# Altium PCB STM32MP15XXAC_1DDR3Lx16_A01.PcbDoc (part 1 of 3)
Units mm, origin at the board's own origin, x right, y up, seen from the top; angles counter-clockwise.
Board outline 89 x 120 mm, 4 copper layers (Top Layer, Signal Layer 1, Signal Layer 2, Bottom Layer), stack 1.571 mm thick; 133 components, 92 nets, 915 pads, 400 vias.
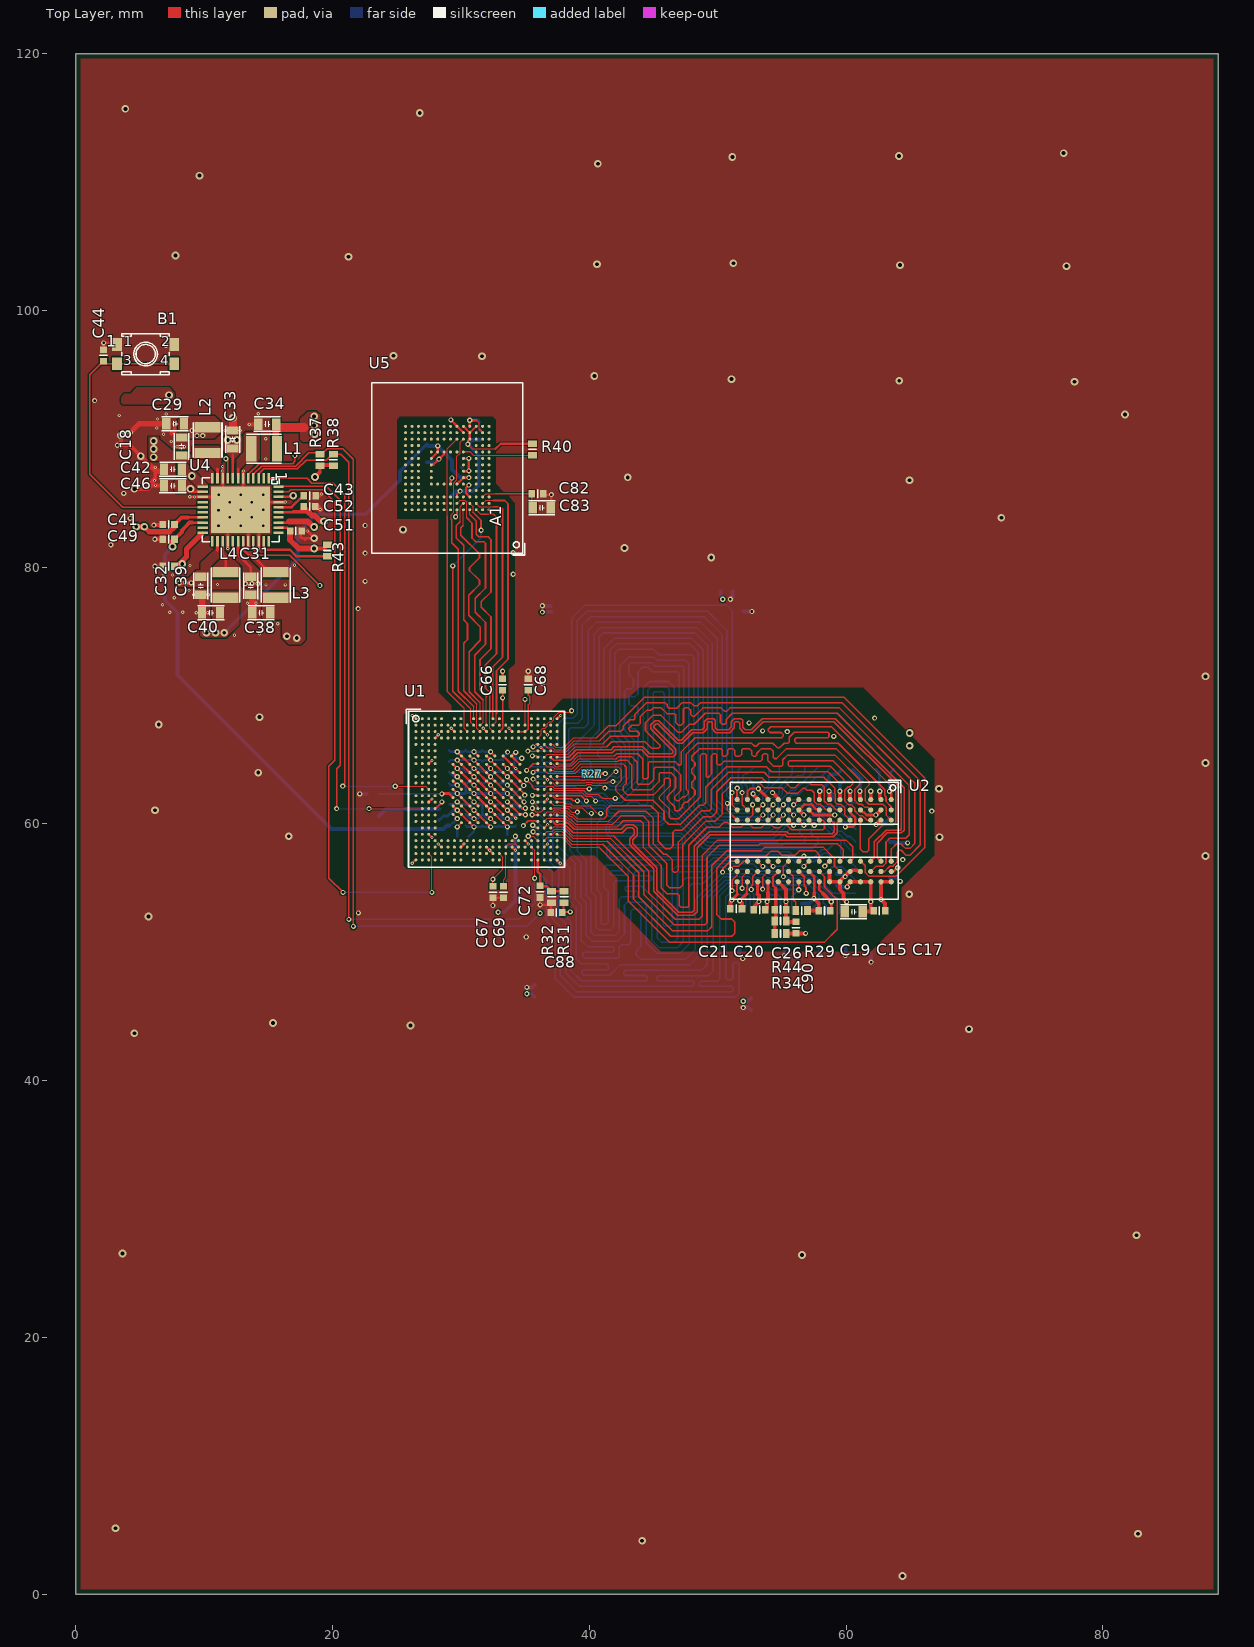
[diagram p0: Top Layer view]
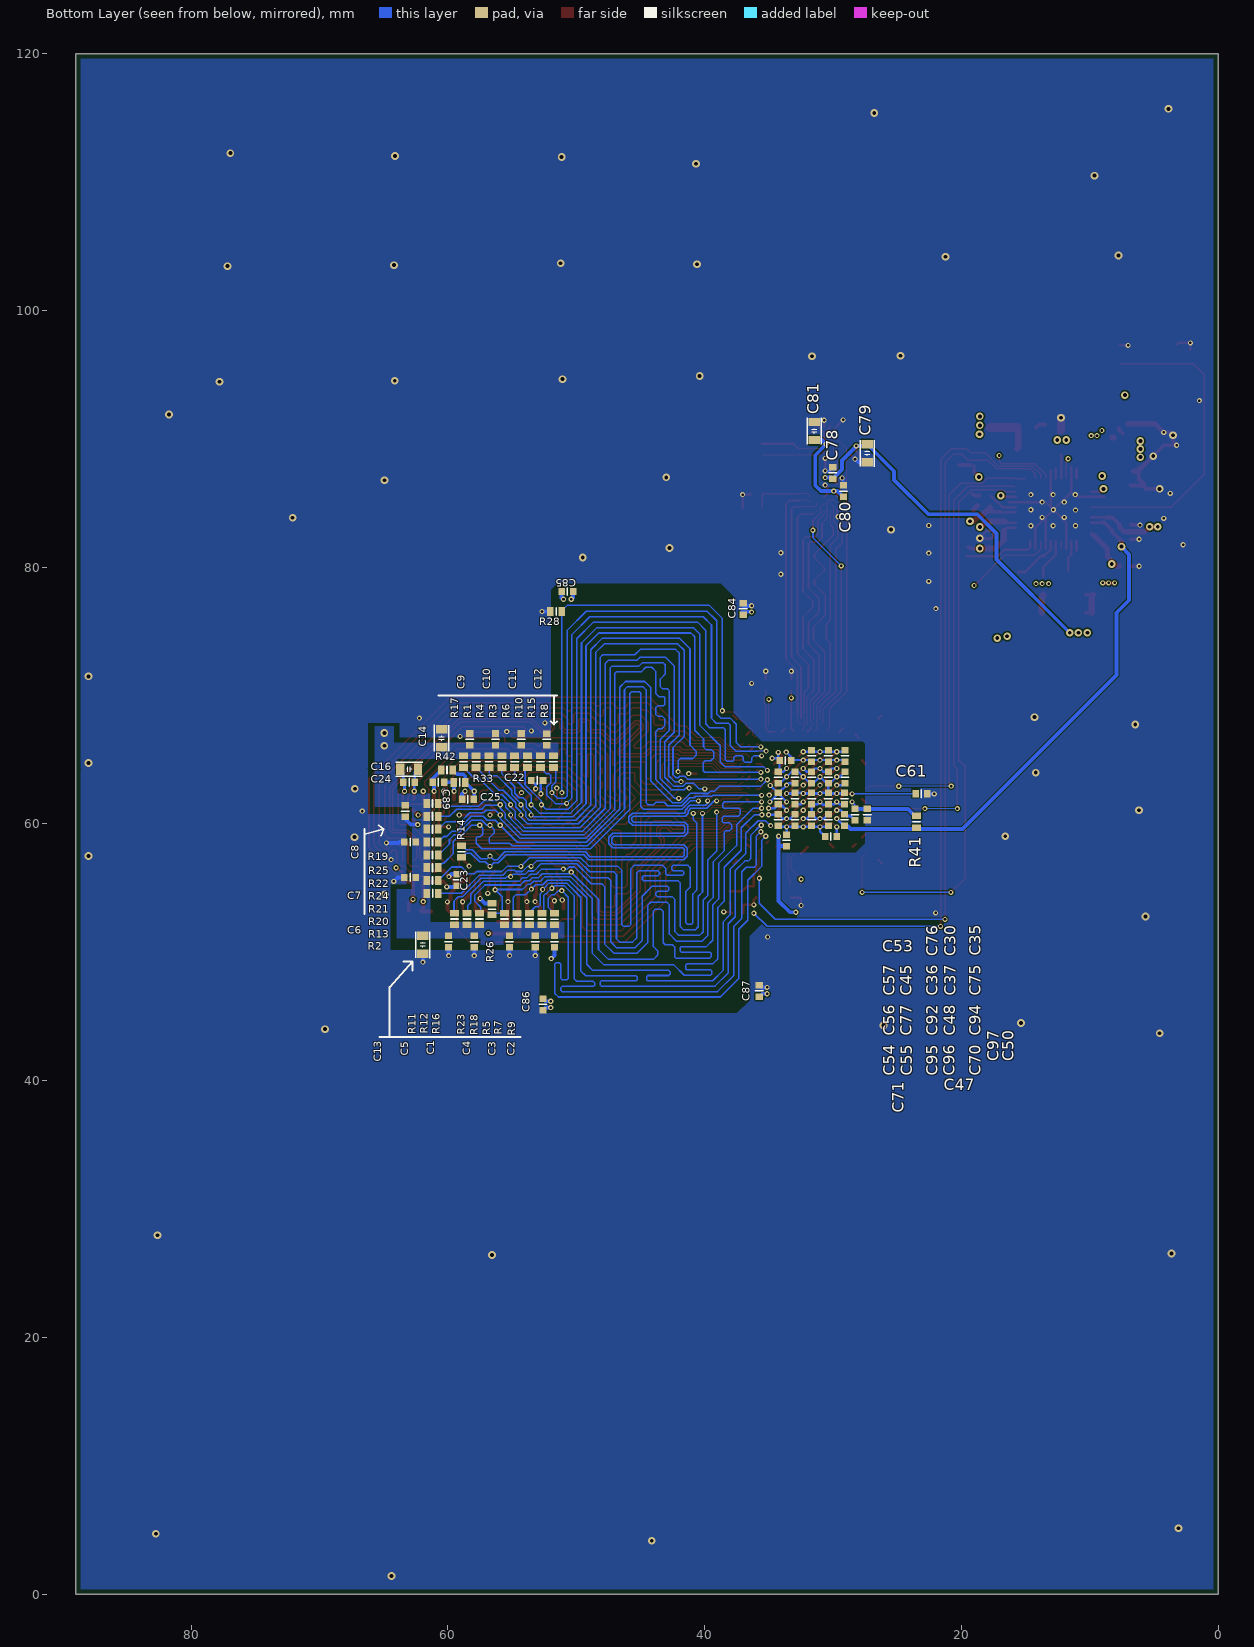
[diagram p1: Bottom Layer view, seen from below]
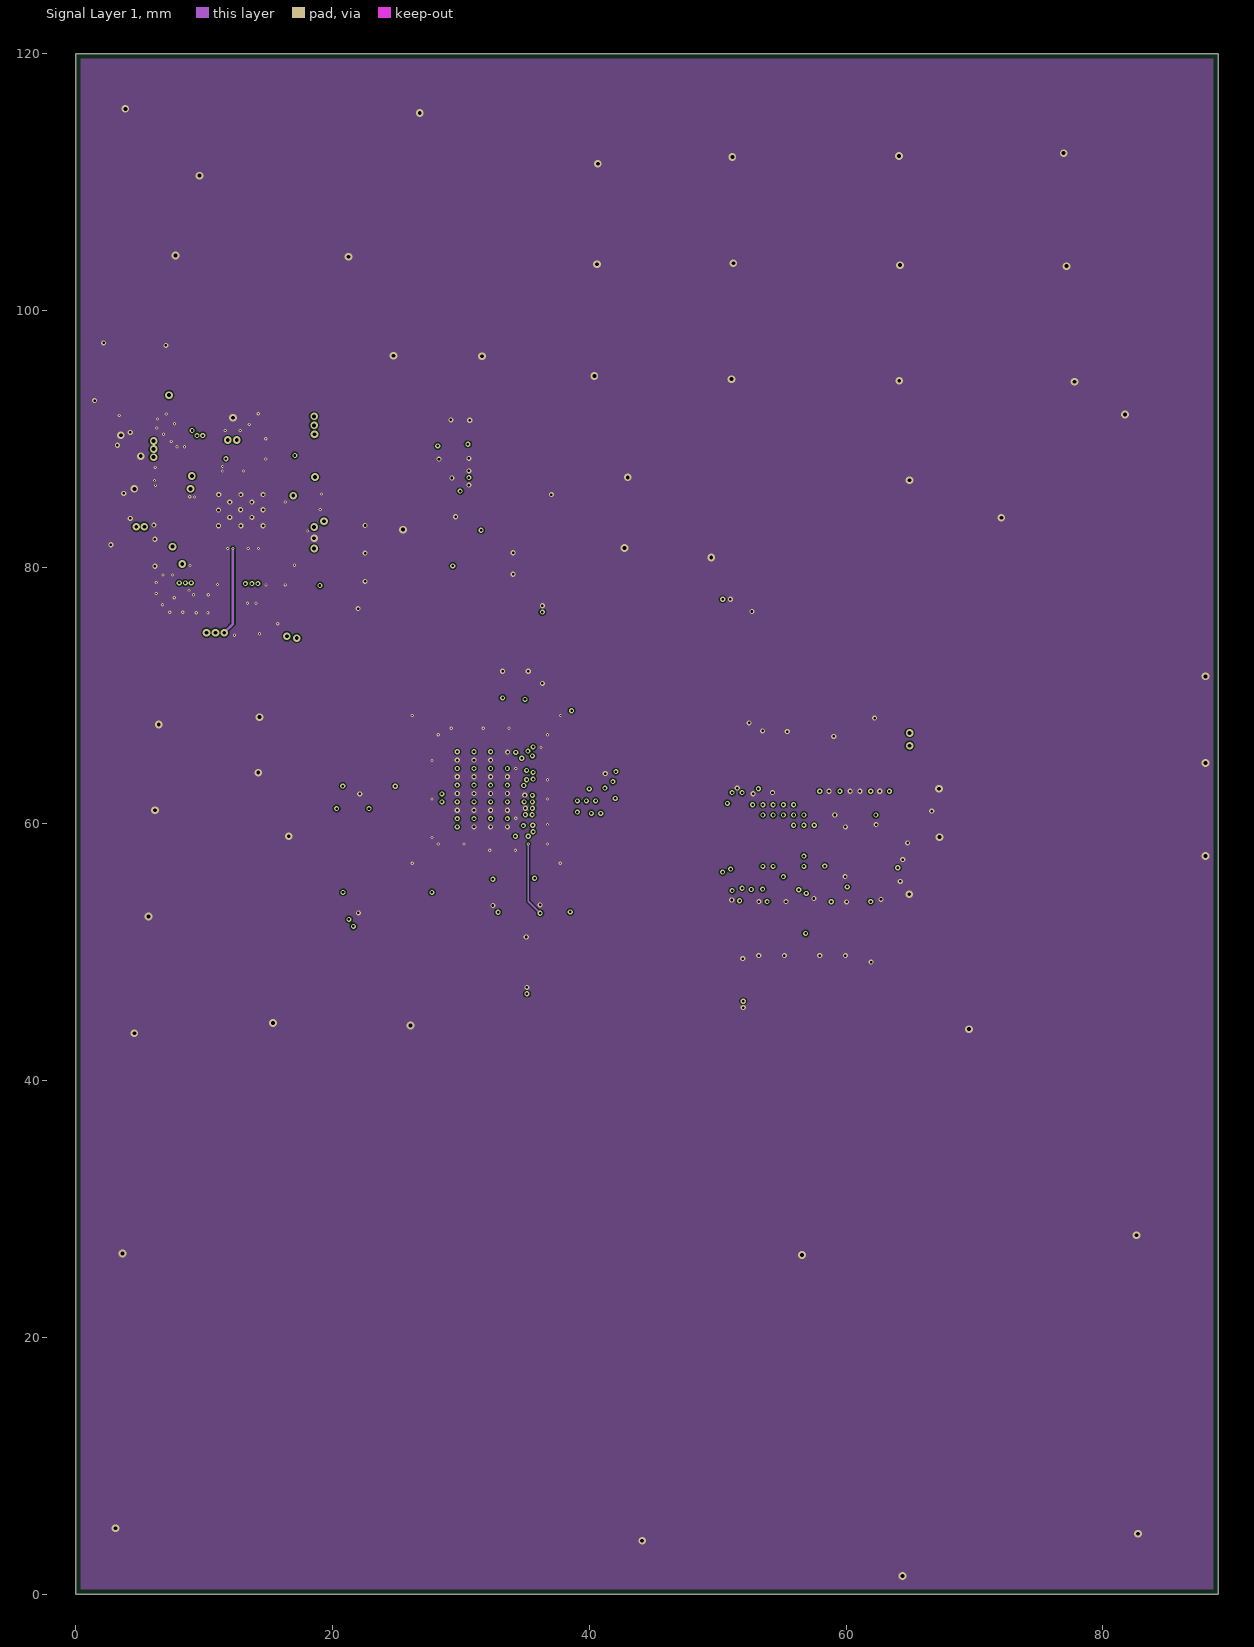
[diagram p2: Signal Layer 1]
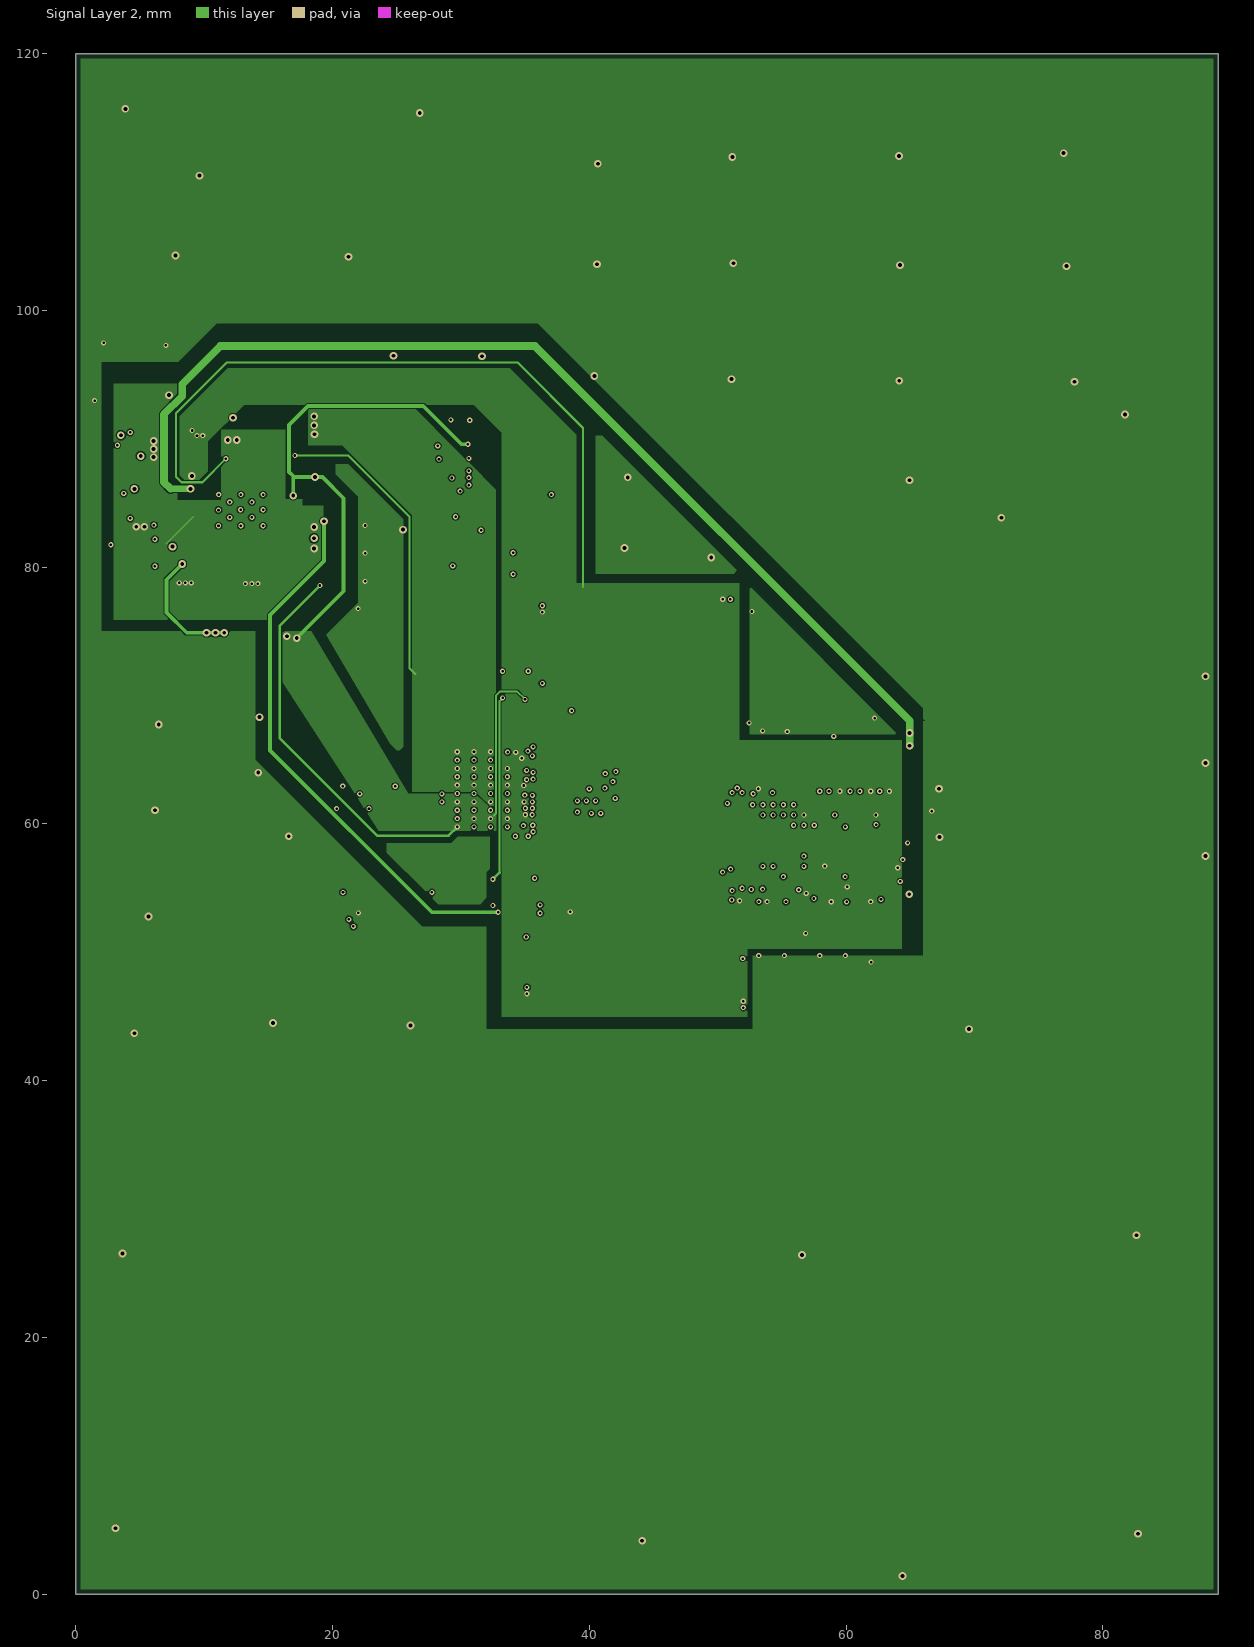
[diagram p3: Signal Layer 2]
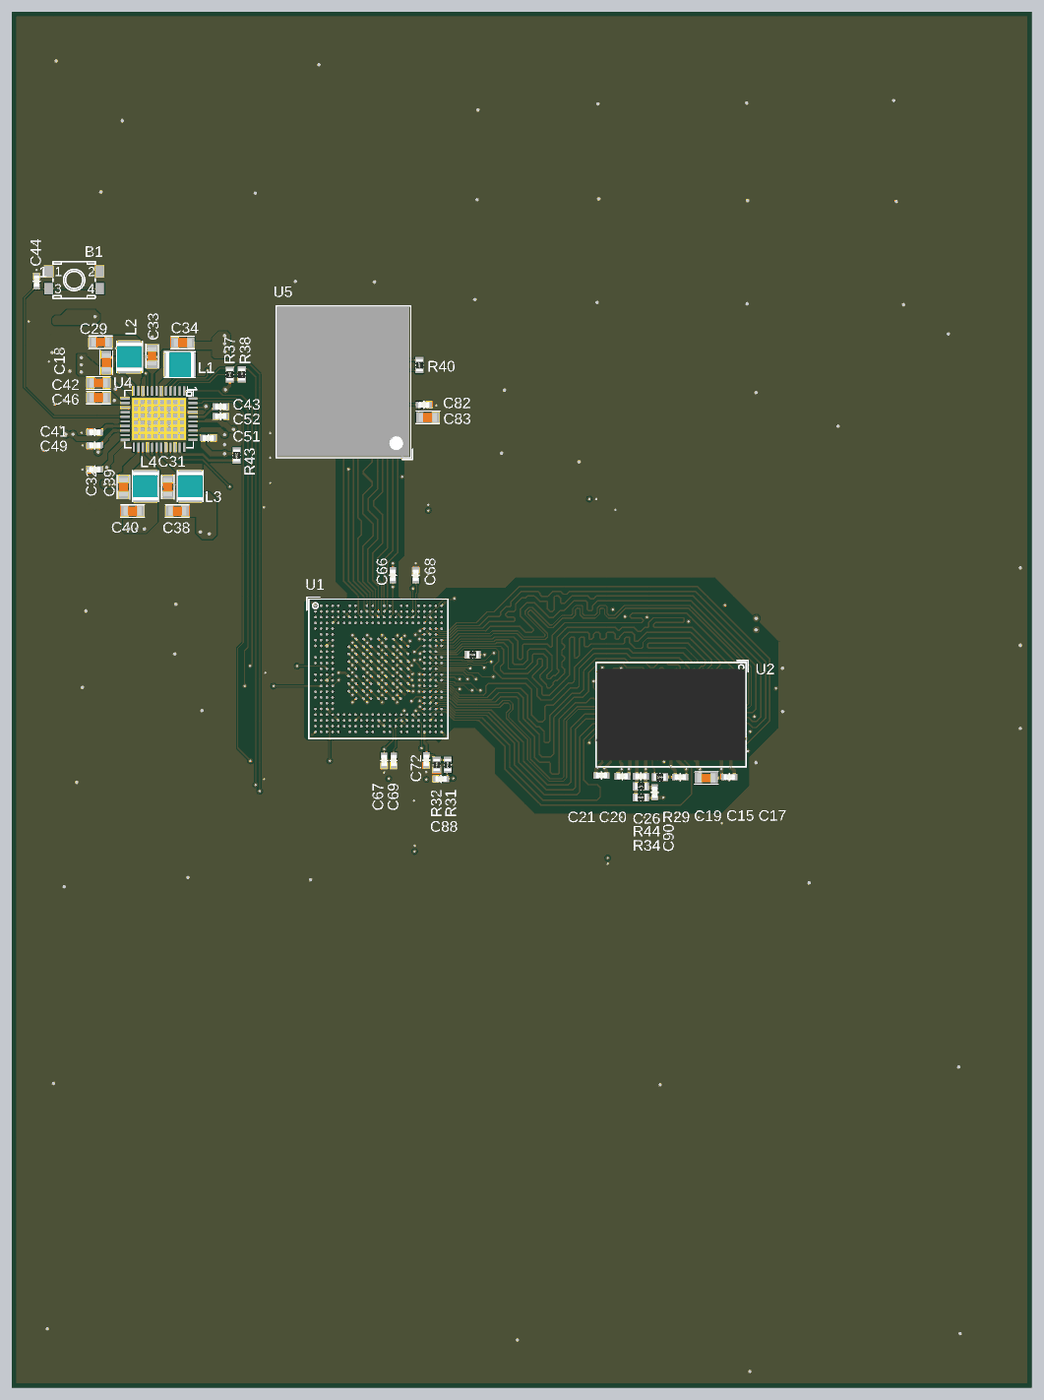
[diagram p6: 3D render of the assembled board from above, using the file's embedded part models]
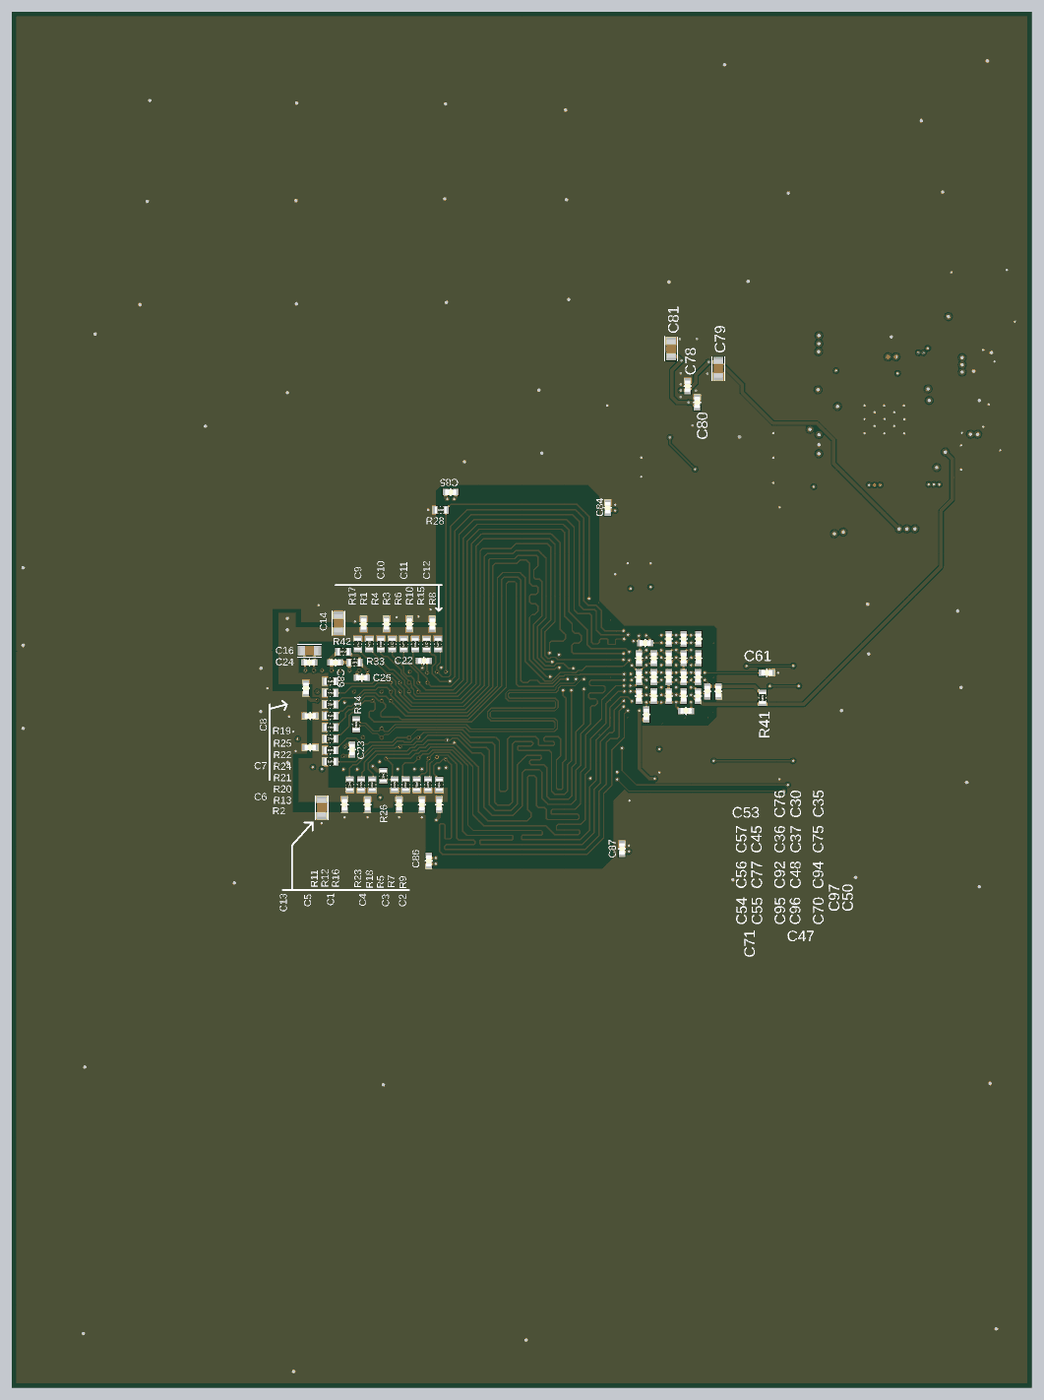
[diagram p7: 3D render of the assembled board from below, using the file's embedded part models]

## Layer stack, top to bottom
Top Solder: solder mask 0.0203, Solder Resist, Dk 3.5
Top Layer: signal copper 0.037
Dielectric 1: core 0.0986, FR-4, Dk 4.1
Signal Layer 1: signal copper 0.035
Dielectric 2: prepreg 1.23, Dk 4.25
Signal Layer 2: signal copper 0.035
Dielectric 3: core 0.0986, Dk 4.1
Bottom Layer: signal copper 0.037
Bottom Solder: solder mask 0.0203, Solder Resist, Dk 3.5

## Board outline
89,120 89,0 0,0 0,120

## Design rules (kind name [scope] priority, off if disabled: settings)
BoardOutlineClearance [All] p1: gap=0.4 ignorepadtopadclearanceinfootprint=FALSE
Clearance diff [InNetClass('diff')] p1: gap=0.1 ignorepadtopadclearanceinfootprint=FALSE except(0: Arc-Hole Track-Hole SMDPad-Hole THPad-Hole Via-Hole Fill-Hole Poly-Hole Region-Hole Text-Hole; 0.08: Track-SMDPad; 0.13: Track-Track; 0.15: Arc-Fill Track-Fill SMDPad-Fill THPad-Fill Via-Fill Fill-Fill; 0.2: Arc-THPad SMDPad-SMDPad SMDPad-THPad THPad-THPad)
Clearance [InNetClass('All Nets')] p2: gap=0.1 ignorepadtopadclearanceinfootprint=FALSE except(0: Arc-Hole Track-Hole SMDPad-Hole THPad-Hole Via-Hole Fill-Hole Poly-Hole Region-Hole Text-Hole; 0.08: Track-Track Track-SMDPad; 0.15: Arc-Fill Track-Fill SMDPad-Fill THPad-Fill Via-Fill Fill-Fill)
ComponentClearance [All] p1 off: gap=0.025 collisioncheckmode=3 verticalgap=2540 showdistances=TRUE
DiffPairsRouting [All] p1: maxlimit=0.13 minlimit=0.13 mostfreqgap=0.13 toplayer_minwidth=0.09 toplayer_maxwidth=0.13 toplayer_prefwidth=0.1 midlayer1_minwidth=0.09 midlayer1_maxwidth=0.13 midlayer1_prefwidth=0.1 midlayer2_minwidth=0.09 midlayer2_maxwidth=0.13 midlayer2_prefwidth=0.1 bottomlayer_minwidth=0.09 bottomlayer_maxwidth=0.13 bottomlayer_prefwidth=0.1 maxuncoupledlength=0.5
FanoutControl Fanout_BGA [IsBGA] p1: bgadir=Out bgaviamode=Closest fanoutstyle=Auto fanoutdirection=Alternating viagrid=0.025 // Fanout_BGA (Default Rule)
FanoutControl Fanout_LCC [IsLCC] p2: bgadir=Out bgaviamode=Closest fanoutstyle=Auto fanoutdirection=Alternating viagrid=0.025 // Fanout_LCC (Default Rule)
FanoutControl Fanout_SOIC [IsSOIC] p3: bgadir=Out bgaviamode=Closest fanoutstyle=Auto fanoutdirection=Alternating viagrid=0.025 // Fanout_SOIC (Default Rule)
FanoutControl Fanout_Small [(CompPinCount < 5)] p4: bgadir=Out bgaviamode=Closest fanoutstyle=Auto fanoutdirection=OutThenIn viagrid=0.025 // Fanout_Small (Default Rule)
FanoutControl Fanout_Default [All] p5: bgadir=Out bgaviamode=Closest fanoutstyle=Auto fanoutdirection=Alternating viagrid=0.025 // Fanout_Default (Default Rule)
Height [All] p1 off: minheight=0 maxheight=100 prefheight=0.5
HoleSize [All] p1: absolutevalues=TRUE maxlimit=10 minlimit=0.15 maxpercent=80.000 minpercent=20.000
HoleToHoleClearance [All] p1: gap=0.25 allowstackedmicrovias=TRUE
Length Length_SDMMC1 [InNetClass('NETC_SDMMC1')] p1: maxlimit=86 minlimit=81
MatchedLengths [All] p1: tolerance=25.4 checknetsindiffpair=FALSE checkdiffpairvsdiffpair=TRUE checkxsignals=TRUE checkothers=TRUE
MinimumSolderMaskSliver [All] p1: minsoldermaskwidth=0
PlaneClearance [All] p1: clearance=0.6
PlaneConnect [All] p1: planeconnectstyle=Direct reliefexpansion=0.508 reliefentries=4 reliefconductorwidth=0.254 reliefairgap=0.254
PolygonConnect PolygonConnect_notr [All vs (IsNamedPolygon('NO TR'))] p1: connectstyle=Direct reliefconductorwidth=0.254 reliefentries=4 polygonreliefangle="90 Angle" airgapwidth=0.254
PolygonConnect PolygonConnect_VTT_DDR [All vs IsNamedPolygon('VTT_DDR_BOT')] p2: connectstyle=Direct reliefconductorwidth=0.254 reliefentries=4 polygonreliefangle="45 Angle" airgapwidth=0.254
PolygonConnect [All] p3: connectstyle=Direct reliefconductorwidth=0.254 reliefentries=4 polygonreliefangle="45 Angle" airgapwidth=0.254
RoomDefinition U_1DDR3L_16bits [InComponentClass('U_1DDR3L_16bits')] p1: confinementstyle=ConfineIn formatcopy=TRUE lockcomponents=FALSE outline 90.023,1.598 95.023,1.598 95.023,8.598 90.023,8.598
RoomDefinition U_STM32_MPU_IOs [InComponentClass('U_STM32_MPU_IOs')] p2 off: confinementstyle=ConfineIn formatcopy=TRUE lockcomponents=FALSE outline 88.575,2.075 139.375,2.075 139.375,27.475 88.575,27.475
RoomDefinition U_Power_MPU [InComponentClass('U_Power_MPU')] p3 off: confinementstyle=ConfineIn formatcopy=TRUE lockcomponents=FALSE outline 87.122,16.916 100.898,16.916 100.898,22.892 87.122,22.892
RoomDefinition U_eMMC [InComponentClass('U_eMMC')] p4 off: confinementstyle=ConfineIn formatcopy=TRUE lockcomponents=FALSE outline 87.122,1.416 129.449,1.416 129.449,15.666 87.122,15.666
RoomDefinition U_Power_PMIC [InComponentClass('U_Power_PMIC')] p5 off: confinementstyle=ConfineIn formatcopy=TRUE lockcomponents=FALSE outline 87.122,8.666 203.578,8.666 203.578,17.666 87.122,17.666
RoutingVias RoutingVias_GND [InNetClass('GND')] p1: holewidth=0.3 width=0.6 viastyle="Through Hole" minholewidth=0.2 minwidth=0.4 maxholewidth=0.3 maxwidth=0.6
RoutingVias RoutingVias_ALIMS [InNetClass('ALIMS')] p2: holewidth=0.3 width=0.6 viastyle="Through Hole" minholewidth=0.2 minwidth=0.4 maxholewidth=0.3 maxwidth=0.6
RoutingVias [All] p3: holewidth=0.2 width=0.4 viastyle="Through Hole" minholewidth=0.2 minwidth=0.4 maxholewidth=0.3 maxwidth=0.6
SilkToSilkClearance [All] p1: silktosilkclearance=0
SilkToSolderMaskClearance [IsPad] p1: minsilkscreentomaskgap=0 clearancetoexposedcopper=TRUE
SolderMaskExpansion [All] p1: expansion=0.05
Width VDD_DDR [InNet('VDD_DDR')] p1: maxlimit=1.5 minlimit=0.1 preferedwidth=0.3 minimp=50.000000 maximp=50.000000 favimp=50.000000
Width Width_VCORE [InNet('VDD_CORE')] p2: maxlimit=0.2 minlimit=0.175 preferedwidth=0.2
Width Width_gnd [InNet('GND')] p3: maxlimit=0.3 minlimit=0.1 preferedwidth=0.3
Width [All] p4: maxlimit=1 minlimit=0.09 preferedwidth=0.12 minimp=50.000000 maximp=50.000000 favimp=50.000000
15 further rules are at their usual default settings.
